# Altium PCB foxbms2-interface-ltc6820.PcbDoc (part 1 of 2)
Units mm, origin at the board's own origin, x right, y up, seen from the top; angles counter-clockwise.
Board outline 70 x 120 mm, 4 copper layers (Top Copper, GND, Supply, Bot Copper), stack 1.56 mm thick; 98 components, 88 nets, 306 pads, 146 vias.
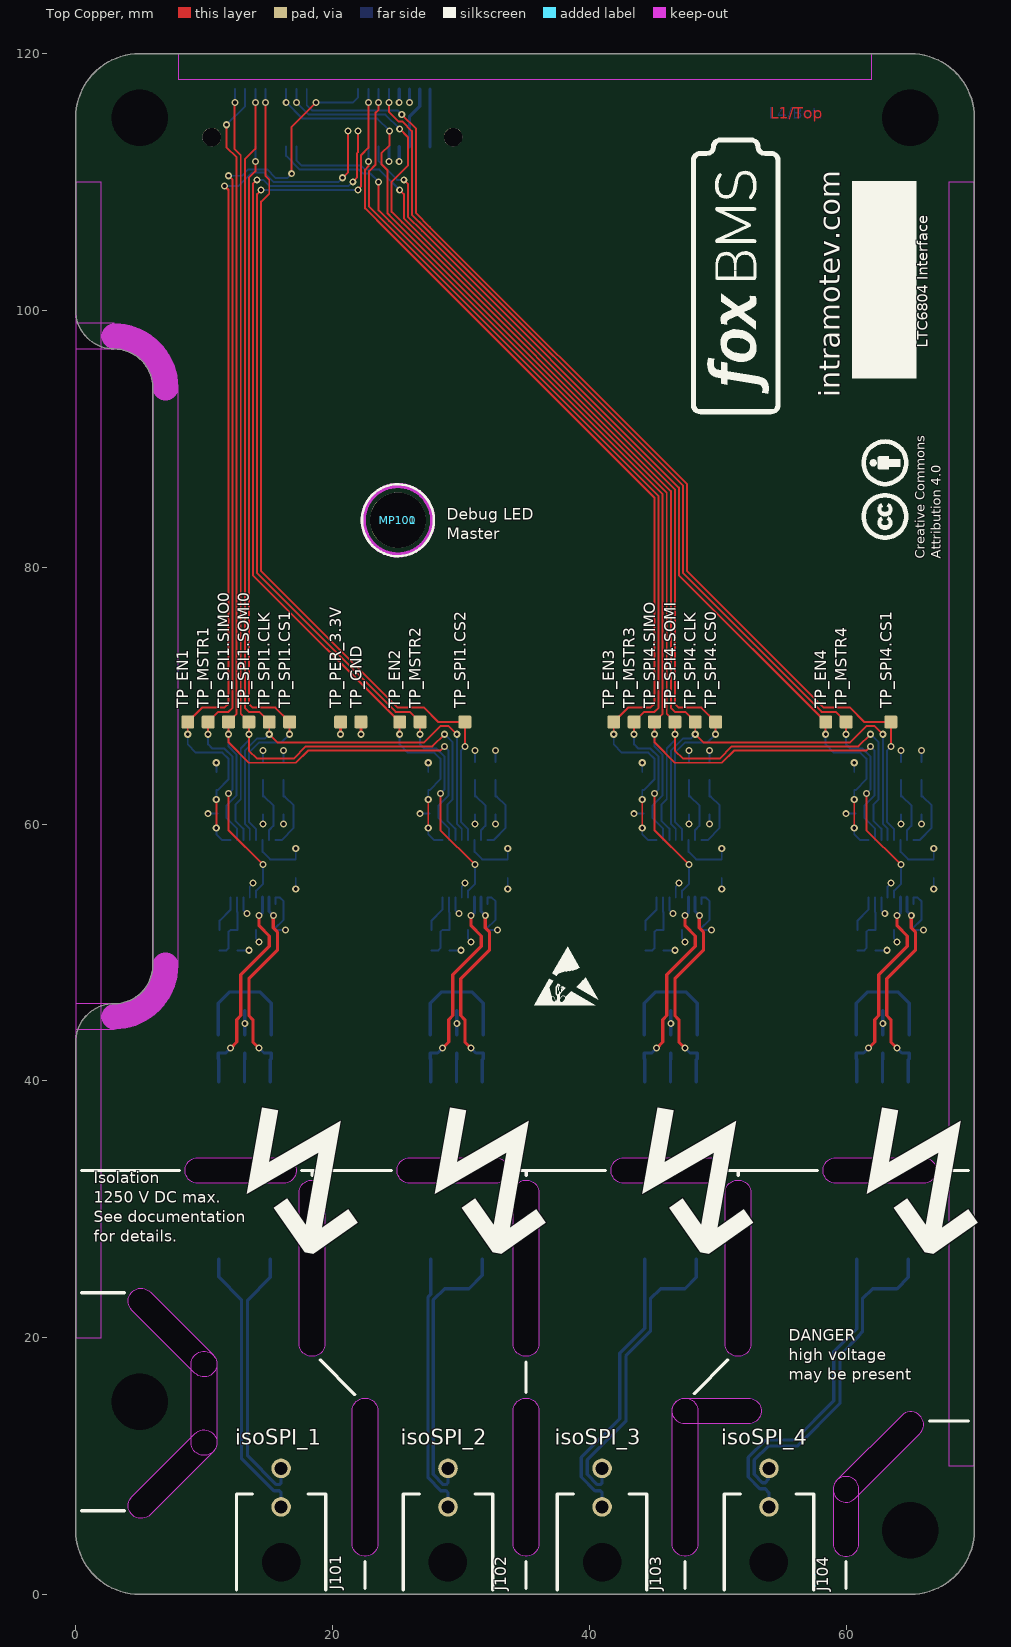
[diagram p0: Top Copper view]
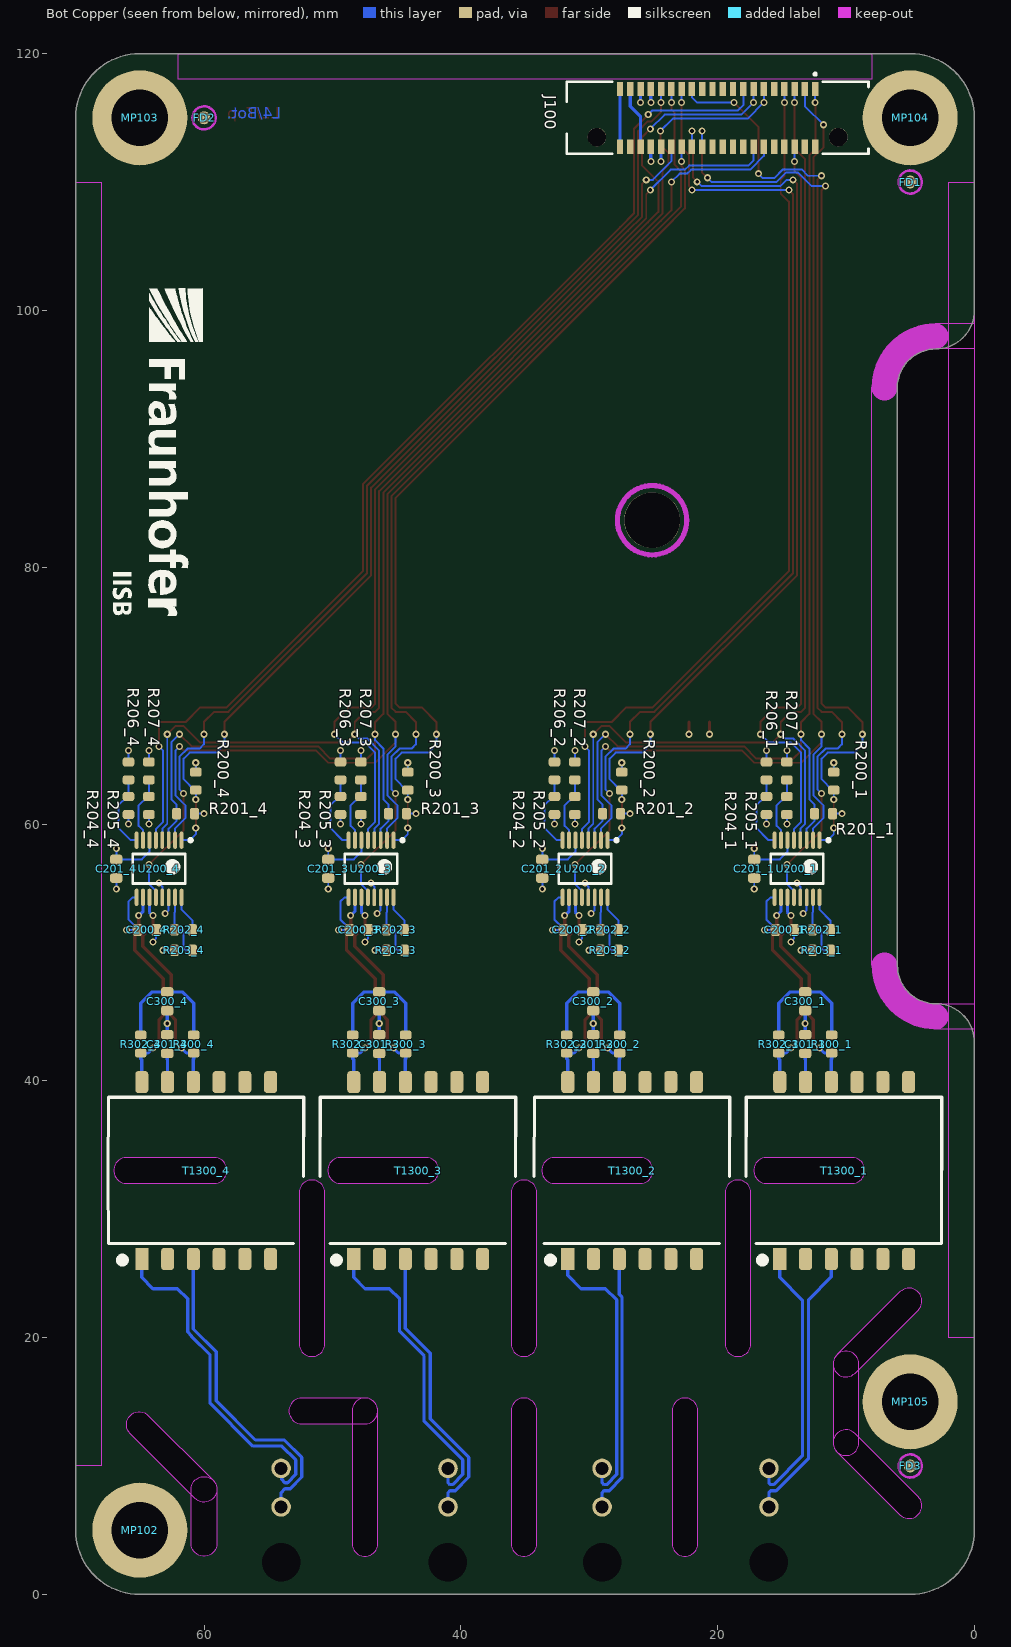
[diagram p1: Bot Copper view, seen from below]
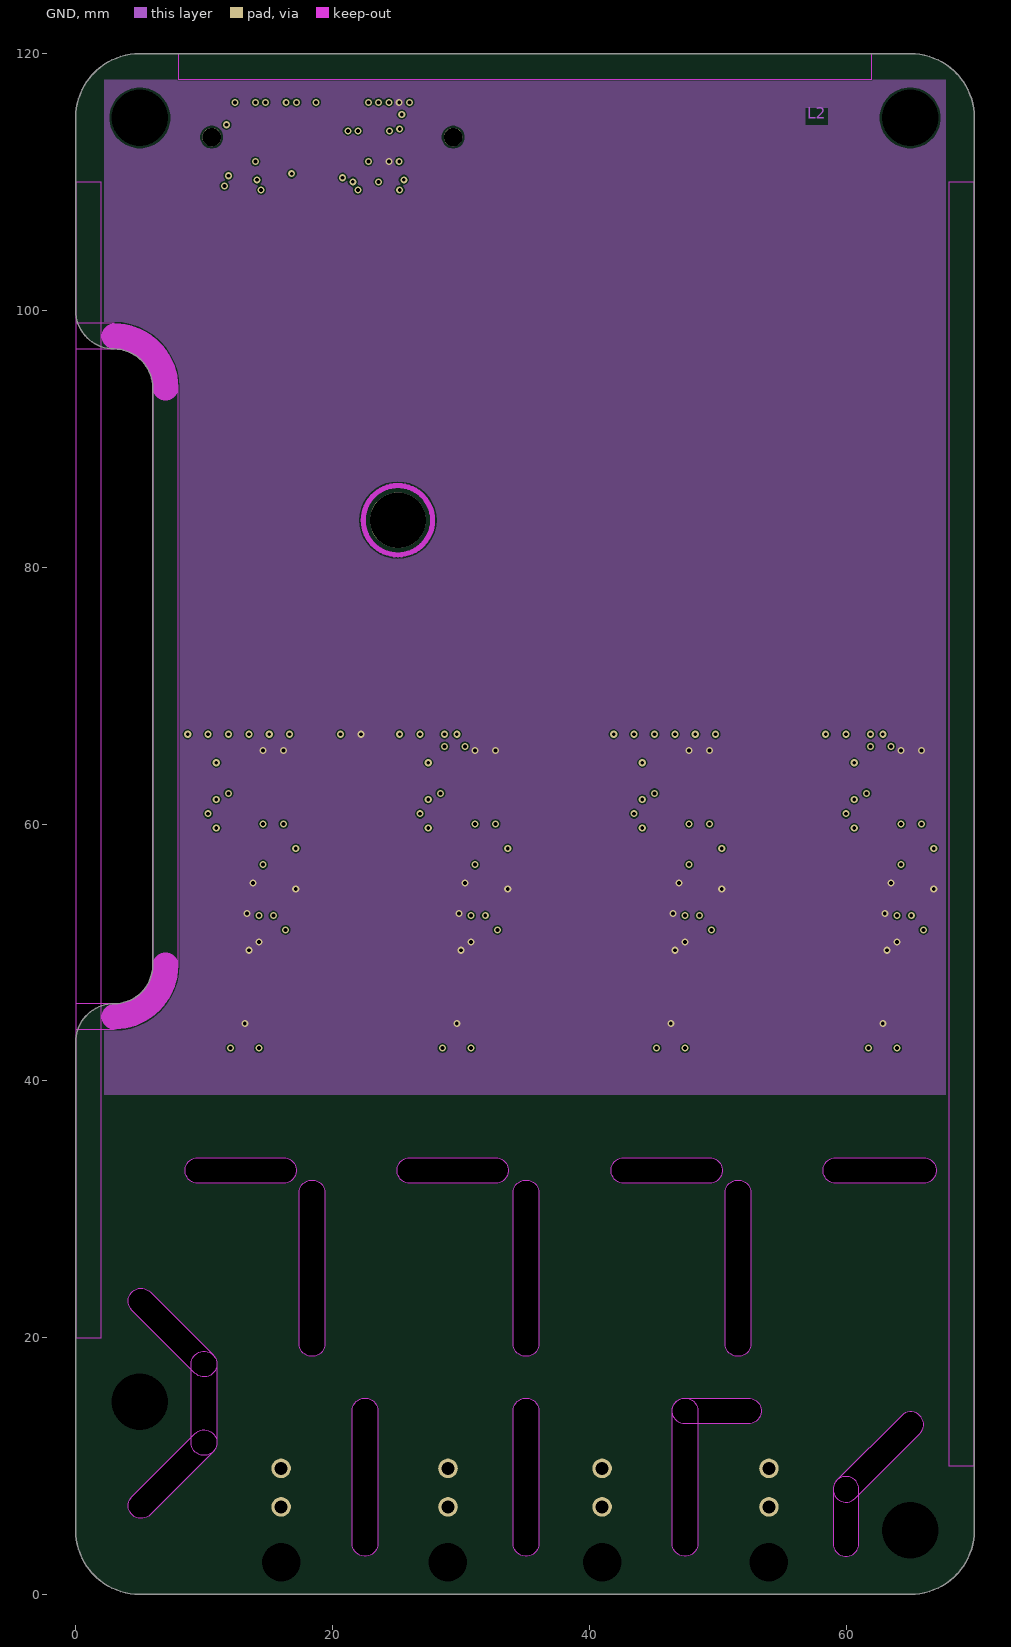
[diagram p2: GND]
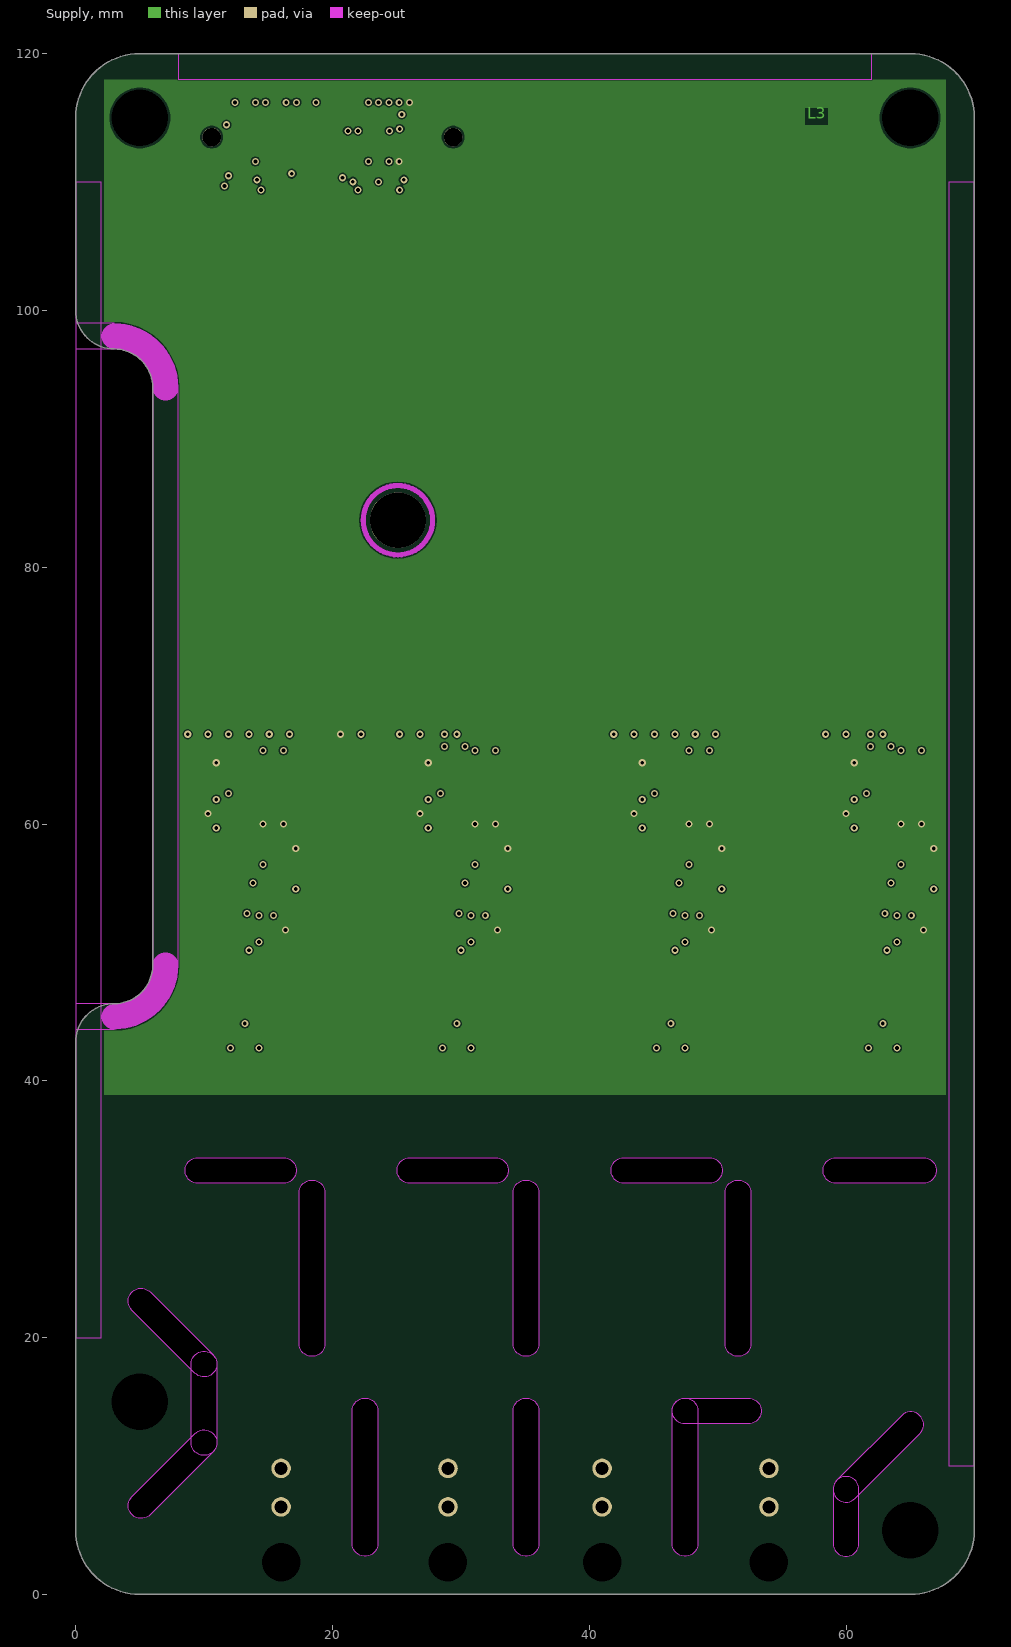
[diagram p3: Supply]
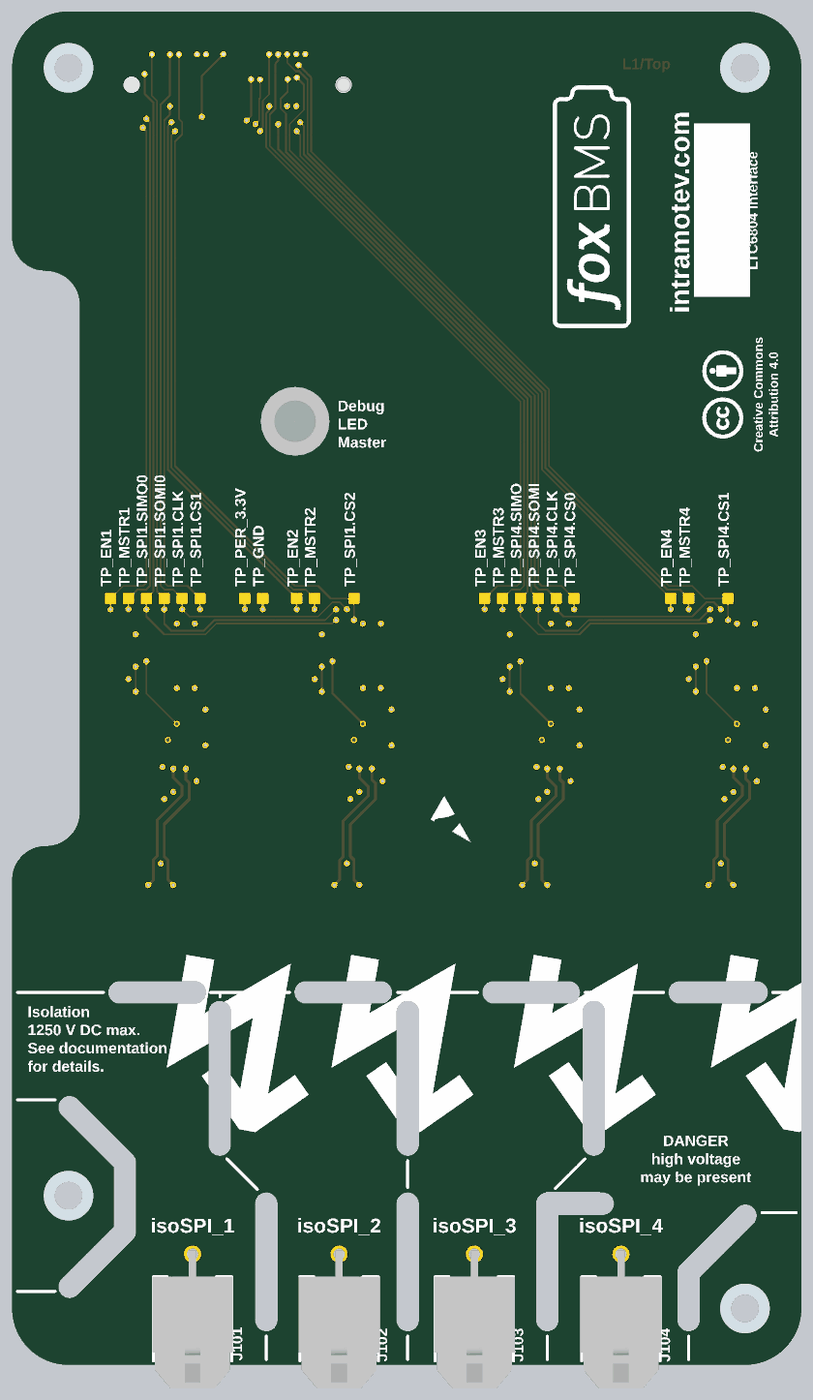
[diagram p5: 3D render of the assembled board from above, using the file's embedded part models]
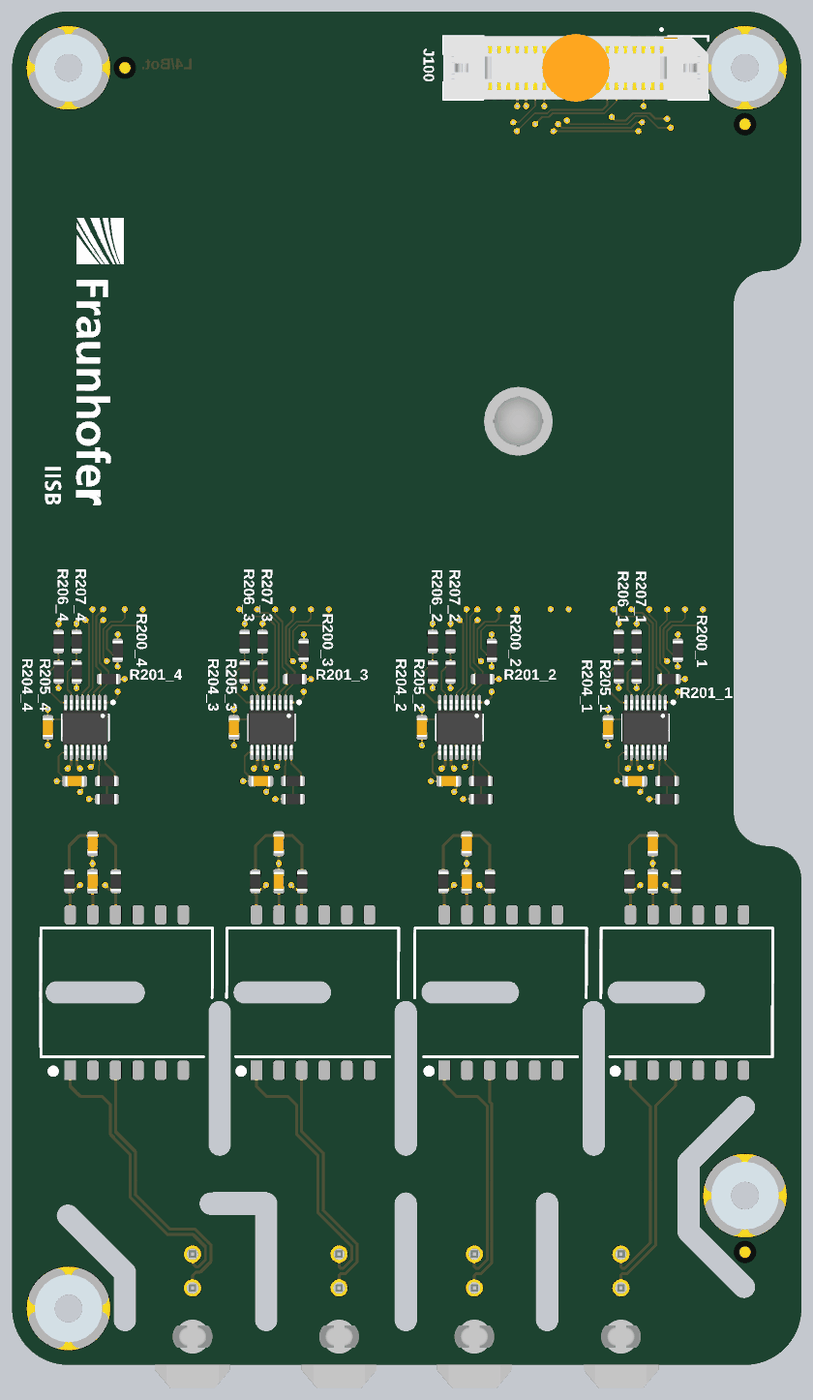
[diagram p6: 3D render of the assembled board from below, using the file's embedded part models]

## Layer stack, top to bottom
Top Solder: solder mask 0.015, Solder Resist, Dk 3.5
Top Copper: signal copper 0.035
Dielectric 1: prepreg 0.36, FR-4, Dk 4.6
GND: signal copper 0.035
Dielectric 2: core 0.7, FR-4, Dk 4.6
Supply: signal copper 0.035
Dielectric 3: prepreg 0.36, FR-4, Dk 4.6
Bot Copper: signal copper 0.035
Bottom Solder: solder mask 0.015, Solder Resist, Dk 3.5

## Board outline
0,5 0,43 cw(c3,43) 3,46 ccw(c3,49) 6,49 6,94 ccw(c3,94) 3,97 cw(c3,100) 0,100 0,115 cw(c5,115) 5,120 65,120 cw(c65,115) 70,115 70,5 cw(c65,5) 65,0 5,0 cw(c5,5)
cut-out: 9,17.939 cw(c10,17.939) 11,17.939 11,11.818 cw(c10,11.818) 9,11.818
cut-out: 5.802,6.206 cw(c5.094,6.913) 4.387,7.62 9.293,12.526 cw(c10,11.819) 10.707,11.112
cut-out: 4.387,22.137 cw(c5.094,22.844) 5.802,23.551 10.707,18.646 cw(c10,17.939) 9.293,17.232
cut-out: 47.466,13.287 cw(c47.466,14.287) 47.466,15.288 52.387,15.288 cw(c52.387,14.287) 52.387,13.287
cut-out: 36.084,19.526 cw(c35.084,19.526) 34.084,19.526 34.084,31.274 cw(c35.084,31.274) 36.084,31.274
cut-out: 34.084,14.287 cw(c35.084,14.287) 36.084,14.287 36.084,3.969 cw(c35.084,3.969) 34.084,3.969
cut-out: 19.415,19.526 cw(c18.415,19.526) 17.415,19.526 17.415,31.274 cw(c18.415,31.274) 19.415,31.274
cut-out: 52.594,19.526 cw(c51.594,19.526) 50.594,19.526 50.594,31.274 cw(c51.594,31.274) 52.594,31.274
cut-out: 21.542,14.287 cw(c22.542,14.287) 23.542,14.287 23.542,3.969 cw(c22.542,3.969) 21.542,3.969
cut-out: 46.466,14.287 cw(c47.466,14.287) 48.466,14.287 48.466,3.969 cw(c47.466,3.969) 46.466,3.969
cut-out: 65.748,12.516 ccw(c65.041,13.223) 64.334,13.93 59.293,8.889 ccw(c60,8.182) 60.707,7.475
cut-out: 61,8.182 ccw(c60,8.182) 59,8.182 59,3.969 ccw(c60,3.969) 61,3.969
cut-out: 66.04,34.02 cw(c66.04,33.02) 66.04,32.02 59.214,32.02 cw(c59.214,33.02) 59.214,34.02
cut-out: 49.371,34.02 cw(c49.371,33.02) 49.371,32.02 42.704,32.02 cw(c42.704,33.02) 42.704,34.02
cut-out: 32.703,34.02 cw(c32.703,33.02) 32.703,32.02 26.035,32.02 cw(c26.035,33.02) 26.035,34.02
cut-out: 16.192,34.02 cw(c16.192,33.02) 16.192,32.02 9.525,32.02 cw(c9.525,33.02) 9.525,34.02

## Design rules (kind name [scope] priority, off if disabled: settings)
AssemblyTestPointUsage [All] p1 off:
AssemblyTestpoint [(IsPad And (OnTopLayer Or OnBottomLayer)) Or (IsPad And OnMultiLayer)] p1 off: testpointundercomponent=FALSE minsize=1.016 maxsize=2.54 preferedsize=1.524 minholesize=0 maxholesize=1.016 preferedholesize=0.813 testpointgrid=0.025 usegrid=TRUE gridtolerance=0 allowsidetop=TRUE
BoardOutlineClearance [All] p1: gap=0.203 ignorepadtopadclearanceinfootprint=FALSE except(0.508: Arc-CavityEdge Track-CavityEdge SMDPad-CavityEdge THPad-CavityEdge Via-CavityEdge Fill-CavityEdge Poly-CavityEdge Region-CavityEdge Text-CavityEdge)
Clearance Clearance_isoSPI1 [InNetClass('isoSPI_1') vs Not InNetClass('isoSPI_1')] p1: gap=1.3 ignorepadtopadclearanceinfootprint=TRUE
Clearance Clearance_isoSPI2 [InNetClass('isoSPI_2') vs Not InNetClass('isoSPI_2')] p2: gap=1.3 ignorepadtopadclearanceinfootprint=TRUE
Clearance Clearance_isoSPI3 [InNetClass('isoSPI_3') vs Not InNetClass('isoSPI_3')] p3: gap=1.3 ignorepadtopadclearanceinfootprint=TRUE
Clearance Clearance_isoSPI4 [InNetClass('isoSPI_4') vs Not InNetClass('isoSPI_4')] p4: gap=1.3 ignorepadtopadclearanceinfootprint=TRUE
Clearance [All] p5: gap=0.102 ignorepadtopadclearanceinfootprint=TRUE except(0.152: Arc-Text Arc-Hole Track-Text Track-Hole SMDPad-Text SMDPad-Hole THPad-Text THPad-Hole Via-Text Via-Hole Fill-Text Fill-Hole Poly-Text Poly-Hole Region-Text Region-Hole Text-Text Text-Hole; 0.203: Arc-Via Track-Via SMDPad-Via THPad-Via Via-Via)
ComponentClearance ComponentClearance_Lightpipe [InComponent('MP100')] p1: gap=-1 collisioncheckmode=3 verticalgap=-1 showdistances=FALSE
ComponentClearance [All] p2: gap=0.2 collisioncheckmode=3 verticalgap=0.2 showdistances=FALSE
Creepage Creepage_isoSPI1 [InNetClass('isoSPI_1') vs Not InNetClass('isoSPI_1')] p1: checkdistance=12.5
Creepage Creepage_isoSPI2 [InNetClass('isoSPI_2') vs Not InNetClass('isoSPI_2')] p2: checkdistance=12.5
Creepage Creepage_isoSPI3 [InNetClass('isoSPI_3') vs Not InNetClass('isoSPI_3')] p3: checkdistance=12.5
Creepage Creepage_isoSPI4 [InNetClass('isoSPI_4') vs Not InNetClass('isoSPI_4')] p4: checkdistance=12.5
DiffPairsRouting [All] p1: maxlimit=0.254 minlimit=0.152 mostfreqgap=0.222 toplayer_minwidth=0.254 toplayer_maxwidth=0.254 toplayer_prefwidth=0.254 midlayer1_minwidth=0.254 midlayer1_maxwidth=0.254 midlayer1_prefwidth=0.254 midlayer2_minwidth=0.254 midlayer2_maxwidth=0.254 midlayer2_prefwidth=0.254 bottomlayer_minwidth=0.254 bottomlayer_maxwidth=0.254 bottomlayer_prefwidth=0.254 maxuncoupledlength=17.78
FabricationTestpoint [All] p1: side=1 testpointundercomponent=TRUE minsize=0.508 maxsize=7.62 preferedsize=1.524 minholesize=0 maxholesize=1.05 preferedholesize=0.813 testpointgrid=0.025 allowsidetop=TRUE usegrid=FALSE gridtolerance=0
HoleSize [All] p1: absolutevalues=TRUE maxlimit=5.994 minlimit=0.2 maxpercent=80.000 minpercent=20.000
HoleToHoleClearance [All] p1: gap=0.152 allowstackedmicrovias=TRUE
MinimumAnnularRing [All] p1: minimumring=0.102
MinimumSolderMaskSliver [All] p1: minsoldermaskwidth=0.102
PlaneConnect [All] p1: planeconnectstyle=Direct reliefexpansion=0.508 reliefentries=4 reliefconductorwidth=0.254 reliefairgap=0.254
PolygonConnect [All] p1: connectstyle=Direct reliefconductorwidth=0.254 reliefentries=4 polygonreliefangle="90 Angle" airgapwidth=0.254
RoomDefinition isoSPI-transformer-1 [InComponentClass('isoSPI-transformer-1')] p1: confinementstyle=ConfineIn formatcopy=TRUE lockcomponents=FALSE outline 2.222,18.256 18.098,18.256 18.098,47.784 2.222,47.784
RoomDefinition isoSPI-transceiver-2 [InComponentClass('isoSPI-transceiver-2')] p2: confinementstyle=ConfineIn formatcopy=TRUE lockcomponents=FALSE outline 34.608,67.31 24.606,67.31 24.606,49.212 34.608,49.212
RoomDefinition isoSPI-transceiver-1 [InComponentClass('isoSPI-transceiver-1')] p3: confinementstyle=ConfineIn formatcopy=TRUE lockcomponents=FALSE outline 18.098,67.31 8.096,67.31 8.096,49.212 18.098,49.212
RoomDefinition isoSPI-transformer-4 [InComponentClass('isoSPI-transformer-4')] p4: confinementstyle=ConfineIn formatcopy=TRUE lockcomponents=FALSE outline 51.911,18.256 67.786,18.256 67.786,47.784 51.911,47.784
RoomDefinition isoSPI-transformer-3 [InComponentClass('isoSPI-transformer-3')] p5: confinementstyle=ConfineIn formatcopy=TRUE lockcomponents=FALSE outline 35.401,18.256 51.276,18.256 51.276,47.784 35.401,47.784
RoomDefinition isoSPI-transformer-2 [InComponentClass('isoSPI-transformer-2')] p6: confinementstyle=ConfineIn formatcopy=TRUE lockcomponents=FALSE outline 18.732,18.256 34.608,18.256 34.608,47.784 18.732,47.784
RoomDefinition isoSPI-transceiver-4 [InComponentClass('isoSPI-transceiver-4')] p7: confinementstyle=ConfineIn formatcopy=TRUE lockcomponents=FALSE outline 67.786,67.31 57.785,67.31 57.785,49.212 67.786,49.212
RoomDefinition isoSPI-transceiver-3 [InComponentClass('isoSPI-transceiver-3')] p8: confinementstyle=ConfineIn formatcopy=TRUE lockcomponents=FALSE outline 51.276,67.31 41.275,67.31 41.275,49.212 51.276,49.212
RoutingVias [All] p1: holewidth=0.203 width=0.45 viastyle="Through Hole" minholewidth=0.203 minwidth=0.45 maxholewidth=1 maxwidth=7 useviatemplates=TRUE viatemplateguid#1={D0A3D638-558F-4074-B05B-B31E3332276D} viatemplatename#1=0.3mm_tented
SMDEntry [All] p1: side=TRUE corner=TRUE anyangle=FALSE
SMDToCorner [All] p1: distance=40000
SilkToSolderMaskClearance [IsPad] p1: minsilkscreentomaskgap=0.102 clearancetoexposedcopper=FALSE
SolderMaskExpansion SolderMaskExpansion_VIAs [IsVia] p1: expansion=-10 istentingtop=FALSE // Cover all Vias
SolderMaskExpansion [All] p2: expansion=0.051 istentingtop=FALSE
UnRoutedNet [All] p1: checkbadconnections=TRUE
UnpouredPolygon UnpouredPolygon_1 [All] p1:
Width [All] p1: maxlimit=1.524 minlimit=0.102 preferedwidth=0.152
18 further rules are at their usual default settings.

## Classes and differential pairs
net class isoSPI_4: isoSPI_4._N isoSPI_4._P TR_unused_4.1 TR_unused_4.2 TR_unused_4.3
net class isoSPI_3: isoSPI_3._N isoSPI_3._P TR_unused_3.1 TR_unused_3.2 TR_unused_3.3
net class isoSPI_2: isoSPI_2._N isoSPI_2._P TR_unused_2.1 TR_unused_2.2 TR_unused_2.3
net class isoSPI_1: isoSPI_1._N isoSPI_1._P TR_unused_1.1 TR_unused_1.2 TR_unused_1.3
channel class isoSPI-transformer: isoSPI-transformer-1 isoSPI-transformer-2 isoSPI-transformer-3 isoSPI-transformer-4
channel class isoSPI-transceiver: isoSPI-transceiver-1 isoSPI-transceiver-2 isoSPI-transceiver-3 isoSPI-transceiver-4
component class isoSPI-transformer-4: C300_4 C301_4 R300_4 R302_4 T1300_4
component class isoSPI-transformer-3: C300_3 C301_3 R300_3 R302_3 T1300_3
component class isoSPI-transformer-2: C300_2 C301_2 R300_2 R302_2 T1300_2
component class isoSPI-transformer-1: C300_1 C301_1 R300_1 R302_1 T1300_1
component class isoSPI-transceiver-4: C200_4 C201_4 R200_4 R201_4 R202_4 R203_4 R204_4 R205_4 R206_4 R207_4 U200_4
component class isoSPI-transceiver-3: C200_3 C201_3 R200_3 R201_3 R202_3 R203_3 R204_3 R205_3 R206_3 R207_3 U200_3
component class foxbms2-interface-ltc6820: J100 J101 J102 J103 J104 MP102 MP103 MP104 MP105 TP_EN1 TP_EN2 TP_EN3 TP_EN4 TP_GND TP_MSTR1 TP_MSTR2 TP_MSTR3 TP_MSTR4 TP_PER_3.3V TP_SPI1.CLK TP_SPI1.CS1 TP_SPI1.CS2 TP_SPI1.SIMO0 TP_SPI1.SOMI0 TP_SPI4.CLK TP_SPI4.CS0 TP_SPI4.CS1 TP_SPI4.SIMO TP_SPI4.SOMI
component class isoSPI-transceiver-2: C200_2 C201_2 R200_2 R201_2 R202_2 R203_2 R204_2 R205_2 R206_2 R207_2 U200_2
component class isoSPI-transceiver-1: C200_1 C201_1 R200_1 R201_1 R202_1 R203_1 R204_1 R205_1 R206_1 R207_1 U200_1
differential pair isoSPI_INT_4: +isoSPI_INT_4_P -isoSPI_INT_4_N
differential pair isoSPI_INT_3: +isoSPI_INT_3_P -isoSPI_INT_3_N
differential pair isoSPI_INT_2: +isoSPI_INT_2_P -isoSPI_INT_2_N
differential pair isoSPI_INT_1: +isoSPI_INT_1_P -isoSPI_INT_1_N
differential pair isoSPI_4.: +isoSPI_4._P -isoSPI_4._N
differential pair isoSPI_3.: +isoSPI_3._P -isoSPI_3._N
differential pair isoSPI_2.: +isoSPI_2._P -isoSPI_2._N
differential pair isoSPI_1.: +isoSPI_1._P -isoSPI_1._N

## Components (designator, comment, footprint, x,y, rotation, side; value= is the part's Value field where it differs from the comment)
C200_1 "100n/50V" CAPC1608X08N 14.764,51.752 r0 bottom (schematic designator C200)
C200_2 "100n/50V" CAPC1608X08N 31.274,51.752 r0 bottom (schematic designator C200)
C200_3 "100n/50V" CAPC1608X08N 47.942,51.752 r0 bottom (schematic designator C200)
C200_4 "100n/50V" CAPC1608X08N 64.453,51.752 r0 bottom (schematic designator C200)
C201_1 "100n/50V" CAPC1608X08N 17.145,56.515 r90 bottom (schematic designator C201)
C201_2 "100n/50V" CAPC1608X08N 33.655,56.515 r90 bottom (schematic designator C201)
C201_3 "100n/50V" CAPC1608X08N 50.324,56.515 r90 bottom (schematic designator C201)
C201_4 "100n/50V" CAPC1608X08N 66.834,56.515 r90 bottom (schematic designator C201)
C300_1 "10n/50V" CAPC1608X08N 13.176,46.196 r270 bottom (schematic designator C300)
C300_2 "10n/50V" CAPC1608X08N 29.686,46.196 r270 bottom (schematic designator C300)
C300_3 "10n/50V" CAPC1608X08N 46.355,46.196 r270 bottom (schematic designator C300)
C300_4 "10n/50V" CAPC1608X08N 62.865,46.196 r270 bottom (schematic designator C300)
C301_1 "10n/50V" CAPC1608X08N 13.176,42.862 r270 bottom (schematic designator C301)
C301_2 "10n/50V" CAPC1608X08N 29.686,42.862 r270 bottom (schematic designator C301)
C301_3 "10n/50V" CAPC1608X08N 46.355,42.862 r270 bottom (schematic designator C301)
C301_4 "10n/50V" CAPC1608X08N 62.865,42.862 r270 bottom (schematic designator C301)
FD1 "Comment" Fiducial_2 5,110 r180 bottom locked
FD2 "Comment" Fiducial_2 60,115 r180 bottom locked
FD3 "Comment" Fiducial_2 5,10 r180 bottom locked
J100 "ERF8-020-05.0-L-DV-K" SAMTEC_ERF8-020-05.0-L-DV-K 20,115 r180 bottom locked
J101 "molex_microfit_3_01x2_THT" MOLEX_MICROFIT_01x2_THT 16,2.5 r180 top
J102 "molex_microfit_3_01x2_THT" MOLEX_MICROFIT_01x2_THT 29,2.5 r180 top
J103 "molex_microfit_3_01x2_THT" MOLEX_MICROFIT_01x2_THT 41,2.5 r180 top
J104 "molex_microfit_3_01x2_THT" MOLEX_MICROFIT_01x2_THT 54,2.5 r180 top
MP100 "Comment" VCC_LPCR050CTP 25.099,83.661 r0 top locked
MP101 "Comment" VCC_RTN_150 25.099,83.661 r0 top locked
MP102 "WE_9774140360R" WE_9774140360 65,5 r180 bottom locked
MP103 "WE_9774140360R" WE_9774140360 65,115 r180 bottom locked
MP104 "WE_9774140360R" WE_9774140360 5,115 r180 bottom locked
MP105 "WE_9774140360R" WE_9774140360 5,15 r180 bottom locked
R200_1 "10k" RESC1608X05N 10.954,63.341 r90 bottom (schematic designator R200)
R200_2 "10k" RESC1608X05N 27.464,63.341 r90 bottom (schematic designator R200)
R200_3 "10k" RESC1608X05N 44.133,63.341 r90 bottom (schematic designator R200)
R200_4 "10k" RESC1608X05N 60.642,63.341 r90 bottom (schematic designator R200)
R201_1 "2k" RESC1608X05N 11.747,60.801 r180 bottom (schematic designator R201)
R201_2 "2k" RESC1608X05N 28.258,60.801 r180 bottom (schematic designator R201)
R201_3 "2k" RESC1608X05N 44.926,60.801 r180 bottom (schematic designator R201)
R201_4 "2k" RESC1608X05N 61.436,60.801 r180 bottom (schematic designator R201)
R202_1 "806R" RESC1608X05N 11.906,51.752 r180 bottom (schematic designator R202)
R202_2 "806R" RESC1608X05N 28.416,51.752 r180 bottom (schematic designator R202)
R202_3 "806R" RESC1608X05N 45.085,51.752 r180 bottom (schematic designator R202)
R202_4 "806R" RESC1608X05N 61.595,51.752 r180 bottom (schematic designator R202)
R203_1 "1k2" RESC1608X05N 11.906,50.165 r180 bottom (schematic designator R203)
R203_2 "1k2" RESC1608X05N 28.416,50.165 r180 bottom (schematic designator R203)
R203_3 "1k2" RESC1608X05N 45.085,50.165 r180 bottom (schematic designator R203)
R203_4 "1k2" RESC1608X05N 61.595,50.165 r180 bottom (schematic designator R203)
R204_1 "10k" RESC1608X05N 16.192,61.436 r270 bottom (schematic designator R204)
R204_2 "10k" RESC1608X05N 32.703,61.436 r270 bottom (schematic designator R204)
R204_3 "10k" RESC1608X05N 49.371,61.436 r270 bottom (schematic designator R204)
R204_4 "10k" RESC1608X05N 65.881,61.436 r270 bottom (schematic designator R204)
R205_1 "10k" RESC1608X05N 14.605,61.436 r270 bottom (schematic designator R205)
R205_2 "10k" RESC1608X05N 31.115,61.436 r270 bottom (schematic designator R205)
R205_3 "10k" RESC1608X05N 47.784,61.436 r270 bottom (schematic designator R205)
R205_4 "10k" RESC1608X05N 64.294,61.436 r270 bottom (schematic designator R205)
R206_1 "10k" RESC1608X05N 16.192,64.135 r270 bottom (schematic designator R206)
R206_2 "10k" RESC1608X05N 32.703,64.135 r270 bottom (schematic designator R206)
R206_3 "10k" RESC1608X05N 49.371,64.135 r270 bottom (schematic designator R206)
R206_4 "10k" RESC1608X05N 65.881,64.135 r270 bottom (schematic designator R206)
R207_1 "10k" RESC1608X05N 14.605,64.135 r270 bottom (schematic designator R207)
R207_2 "10k" RESC1608X05N 31.115,64.135 r270 bottom (schematic designator R207)
R207_3 "10k" RESC1608X05N 47.784,64.135 r270 bottom (schematic designator R207)
R207_4 "10k" RESC1608X05N 64.294,64.135 r270 bottom (schematic designator R207)
R300_1 "49R9" RESC1608X05N 11.112,42.862 r270 bottom (schematic designator R300)
R300_2 "49R9" RESC1608X05N 27.622,42.862 r270 bottom (schematic designator R300)
R300_3 "49R9" RESC1608X05N 44.291,42.862 r270 bottom (schematic designator R300)
R300_4 "49R9" RESC1608X05N 60.801,42.862 r270 bottom (schematic designator R300)
R302_1 "49R9" RESC1608X05N 15.24,42.862 r90 bottom (schematic designator R302)
R302_2 "49R9" RESC1608X05N 31.75,42.862 r90 bottom (schematic designator R302)
R302_3 "49R9" RESC1608X05N 48.419,42.862 r90 bottom (schematic designator R302)
R302_4 "49R9" RESC1608X05N 64.929,42.862 r90 bottom (schematic designator R302)
T1300_1 "HM2102NLT" HM2102NL 10.16,33.02 r90 bottom (schematic designator T1300)
T1300_2 "HM2102NLT" HM2102NL 26.67,33.02 r90 bottom (schematic designator T1300)
T1300_3 "HM2102NLT" HM2102NL 43.339,33.02 r90 bottom (schematic designator T1300)
T1300_4 "HM2102NLT" HM2102NL 59.849,33.02 r90 bottom (schematic designator T1300)
TP_EN1 "Testpoint_Square" Testpoint_S1 8.731,67.945 r270 top
TP_EN2 "Testpoint_Square" Testpoint_S1 25.241,67.945 r90 top
TP_EN3 "Testpoint_Square" Testpoint_S1 41.91,67.945 r90 top
TP_EN4 "Testpoint_Square" Testpoint_S1 58.42,67.945 r90 top
TP_GND "Testpoint_Square" Testpoint_S1 22.225,67.945 r90 top
TP_MSTR1 "Testpoint_Square" Testpoint_S1 10.319,67.945 r270 top
TP_MSTR2 "Testpoint_Square" Testpoint_S1 26.829,67.945 r90 top
TP_MSTR3 "Testpoint_Square" Testpoint_S1 43.497,67.945 r90 top
TP_MSTR4 "Testpoint_Square" Testpoint_S1 60.008,67.945 r90 top
TP_PER_3.3V "Testpoint_Square" Testpoint_S1 20.637,67.945 r90 top
TP_SPI1.CLK "Testpoint_Square" Testpoint_S1 15.081,67.945 r270 top
TP_SPI1.CS1 "Testpoint_Square" Testpoint_S1 16.669,67.945 r270 top
TP_SPI1.CS2 "Testpoint_Square" Testpoint_S1 30.321,67.945 r270 top
TP_SPI1.SIMO0 "Testpoint_Square" Testpoint_S1 11.906,67.945 r270 top
TP_SPI1.SOMI0 "Testpoint_Square" Testpoint_S1 13.494,67.945 r270 top
TP_SPI4.CLK "Testpoint_Square" Testpoint_S1 48.26,67.945 r90 top
TP_SPI4.CS0 "Testpoint_Square" Testpoint_S1 49.847,67.945 r90 top
TP_SPI4.CS1 "Testpoint_Square" Testpoint_S1 63.5,67.945 r90 top
TP_SPI4.SIMO "Testpoint_Square" Testpoint_S1 45.085,67.945 r90 top
TP_SPI4.SOMI "Testpoint_Square" Testpoint_S1 46.672,67.945 r90 top
U200_1 "LTC6820HMS" LTC6820-MSOP 13.811,56.515 r270 bottom (schematic designator U200)
U200_2 "LTC6820HMS" LTC6820-MSOP 30.321,56.515 r270 bottom (schematic designator U200)
U200_3 "LTC6820HMS" LTC6820-MSOP 46.99,56.515 r270 bottom (schematic designator U200)
U200_4 "LTC6820HMS" LTC6820-MSOP 63.5,56.515 r270 bottom (schematic designator U200)

## Footprints (in the part's own frame and the unit in brackets; to place one, negate y for a bottom-side part, rotate by r counter-clockwise, add the part's x,y. Pads: shape width x height; smd on the part's side, far side on the other; paste and mask are expansions set on the pad)
CAPC1608X08N [mm] "Chip Capacitor, 2-Leads, Body 1,60x0,80mm, IPC Medium Density"
  rrect50% 0.75x0.95 smd: 1(-0.725,0) 2(0.725,0)
  body extent -0.85,-0.45 0.85,0.45, height 0.8
Fiducial_2 [mm] "Fiducial Round 1mm"
  round 1 smd paste-0.5 mask+0.5: 0(0,0)
  Top Copper keep-out circle w0.2: c0,0 r0.9
HM2102NL [mil]
  rect 67.5x40 smd: 1(-271.65,196.85)
  rrect50% 67.5x40 smd: 2(-271.65,117.85) 3(-271.65,38.85) 4(-271.65,-40.15) 5(-271.65,-119.15) 6(-271.65,-198.15) 7(270.85,-198.15) 8(270.85,-119.15) 9(270.85,-40.15) 10(270.85,38.85) 11(270.85,117.85) 12(270.85,196.85)
  silkscreen extent -224,-300 224,300, body extent -224,-299 224,299, height 197
LTC6820-MSOP [mm] "MSOP, 16-Leads, Body 4,00x3,00mm, Pitch 0,50mm, IPC Medium Density"
  oval 1.35x0.3 smd: 1(-2.225,1.75) 2(-2.225,1.25) 3(-2.225,0.75) 4(-2.225,0.25) 5(-2.225,-0.25) 6(-2.225,-0.75) 7(-2.225,-1.25) 8(-2.225,-1.75) 9(2.225,-1.75) 10(2.225,-1.25) 11(2.225,-0.75) 12(2.225,-0.25) 13(2.225,0.25) 14(2.225,0.75) 15(2.225,1.25) 16(2.225,1.75)
  silkscreen extent -2.35,-2.05 1.15,2.57, body extent -2.45,-2.05 2.45,2.05, height 1.1
MOLEX_MICROFIT_01x2_THT [mil] "Micro-Fit 3.0 Right Angle Header, 3.00mm Pitch, Dual Row, 2 Circuits, with Snap-in Plastic Peg PCB Lock, Tin, Glow Wire Capable, Black, 43045-0200"
  round 60 hole 40: 1(0,-170) 2(0,-287.99)
  round 39.37 hole 117.99 unplated paste+0 mask+4: ""(0,0)
  silkscreen extent -137,-209 137,85, body extent -141,-301 141,181, height 345
RESC1608X05N [mm] "Chip Resistor, 2-Leads, Body 1,60x0,80mm, IPC Medium Density"
  rrect50% 0.7x0.9 smd: 1(-0.7,0) 2(0.7,0)
  body extent -0.85,-0.45 0.85,0.45, height 0.45
SAMTEC_ERF8-020-05.0-L-DV-K [mm] "0.80 Samtec 0.8mm Edge Rate Robust Highspeed-Terminal"
  rect 0.5x1.1 smd: 1(7.6,2.25) 2(7.6,-2.25) 3(6.8,2.25) 4(6.8,-2.25) 5(6,2.25) 6(6,-2.25) 7(5.2,2.25) 8(5.2,-2.25) 9(4.4,2.25) 10(4.4,-2.25) 11(3.6,2.25) 12(3.6,-2.25) 13(2.8,2.25) 14(2.8,-2.25) 15(2,2.25) 16(2,-2.25) 17(1.2,2.25) 18(1.2,-2.25) 19(0.4,2.25) 20(0.4,-2.25) 21(-0.4,2.25) 22(-0.4,-2.25) 23(-1.2,2.25) 24(-1.2,-2.25) 25(-2,2.25) 26(-2,-2.25) 27(-2.8,2.25) 28(-2.8,-2.25) 29(-3.6,2.25) 30(-3.6,-2.25) 31(-4.4,2.25) 32(-4.4,-2.25) 33(-5.2,2.25) 34(-5.2,-2.25) 35(-6,2.25) 36(-6,-2.25) 37(-6.8,2.25) 38(-6.8,-2.25) 39(-7.6,2.25) 40(-7.6,-2.25)
  round 1.45 hole 1.45 unplated: ""(-9.4,-1.5) ""(9.4,-1.5)
  silkscreen extent -11.75,-2.8 11.75,3.5, body extent -11.75,-3 11.75,3, height 5.49
Testpoint_S1 [mm] "Testpunkt, quardratisch 1mm"
  rrect20% 1x1 smd paste-0.5: 1(0,0)
VCC_LPCR050CTP [mm] "Lightpipe Clear LPCR Series"
  round 4.34 hole 4.34 unplated: Lightpipe(0,0)
  Keep-Out Layer circle w0.4: c0,0 r2.7
  silkscreen extent -2.8,-2.8 2.8,2.8, body extent -2.41,-2.41 2.41,2.41, height 0.77
VCC_RTN_150 [mm] "Grommet Retainer for LPC and LPCR Series Lightpipe"
  body extent -3.05,-3.05 3.05,3.05, height 3.92
WE_9774140360 [mm] "WA-SMSI SMT Steel Spacer with internal thread M 3"
  round 7.4 / inner round 0 / far side round 0 hole 4.4 unplated: 1(0,0)
  body extent -3,-3 3,3, height 14.01

## Part data
C200_1 C200_2 C200_3 C200_4 C201_1 C201_2 C201_3 C201_4: library part gen_C_ceramic_100n_50V_X7R_0603, "MLCC", Capacitance=100n, Case EIA=0603, Case Metric=1608, Dielectric=X7R, PnP Package=0603C, PnP Value=100nF/50V/X7R, Rated Voltage=50V, Supplier Part Number 1=2525267, AEC-Q Norm=AEC-Q200, Automotive Qualified=True, ECCN=EAR99, Part Number=gen_C_ceramic_100n_50V_X7R_0603, PnP equipped=x, Supplier 1=Farnell, Supplier 2=Digikey, Supplier Part Number 2=490-6049-1-ND
C300_1 C300_2 C300_3 C300_4 C301_1 C301_2 C301_3 C301_4: library part gen_C_ceramic_10n_50V_C0G_0603, "MLCC", Capacitance=10n, Case EIA=0603, Case Metric=1608, Dielectric=C0G, PnP Package=0603C, Rated Voltage=50V, Supplier Part Number 1=2210846, Automotive Qualified=True, Part Number=gen_C_ceramic_10n_50V_C0G_0603, Supplier 1=Farnell
J100: library part SAMTEC_ERF8-020-05.0-L-DV-K, "Edge Rate rugged high-speed connector strips", Manufacturer=Samtec, Operating Temperature="-55°C - +125°C", Supplier Part Number 1=3771957, Automotive Qualified=False, Circuits=40, ComponentLink1Description=Datasheet, ComponentLink1URL=https://suddendocs.samtec.com/catalog_english/erf8-s.pdf, ECCN=EAR99, Part Name=ERF8-020-05.0-L-DV-K, Part Number=SAMTEC_ERF8-020-05.0-L-DV-K, Supplier 1=Farnell, Supplier 2=Digikey, Supplier 3=Mouser, Supplier Part Number 2=SAM13550CT-ND, Supplier Part Number 3=200-ERF802005.0LDVLK, System=Connector
J101 J102 J103 J104: "Micro-Fit 3.0 Right Angle Header, 3.00mm Pitch, Dual Row, 2 Circuits, with Snap-in Plastic Peg PCB Lock, Tin, Glow Wire Capable, Black, 43045-0200", Manufacturer=Molex, Operating Temperature="-40°C - +105°C", Part Name=MicroFit, Rated Current=8.5A, Rated Voltage=600V, Supplier Part Number 1=1012251, Automotive Qualified=False, Circuits=2, Part Number=molex_microfit_3_01x2_THT, Supplier 1=Farnell
MP102 MP103 MP104 MP105: "WA-SMSI SMT Steel Spacer with internal thread M 3", Manufacturer="Würth Elektronik", Operating Temperature="-55°C - +150°C", Supplier Part Number 1=732-5281-1-ND, Automotive Qualified=False, ComponentLink1Description=Datasheet, ComponentLink1URL=https://www.we-online.com/catalog/datasheet/9774140360R.pdf, ECCN=EAR99, Part Name=WE_9774140360R, Part Number=WE_9774140360R, Supplier 1=Digikey, Supplier 2=Mouser, Supplier Part Number 2=710-9774140360R
R200_1 R200_2 R200_3 R200_4 R204_1 R204_2 R204_3 R204_4 R205_1 R205_2 R205_3 R205_4 R206_1 R206_2 R206_3 R206_4 R207_1 R207_2 R207_3 R207_4: library part gen_R_10k_0603, "SMD Resistor 10k 0603", Case EIA=0603, Case Metric=1608, Maximum Working Voltage=75V, Operating Temperature="-55°C - +155°C", PnP Package=0603R, Power=0.1W, Supplier Part Number 1=2073349, Tolerance=1%, Automotive Qualified=True, Part Number=gen_R_10k_0603, PnP equipped=x, PnP Value=10k, Resistance=10k, Series="E24, E96", Supplier 1=Farnell
R201_1 R201_2 R201_3 R201_4: library part gen_R_2k_0603, "SMD Resistor 2k 0603", Case EIA=0603, Case Metric=1608, Maximum Working Voltage=75V, Operating Temperature="-55°C - +155°C", PnP Package=0603R, Power=0.1W, Supplier Part Number 1=2059343, Tolerance=1%, Automotive Qualified=True, Part Number=gen_R_2k_0603, PnP Value=2k, Resistance=2k, Series="E24, E96", Supplier 1=Farnell
R202_1 R202_2 R202_3 R202_4: library part gen_R_806R_0603, "SMD Resistor 806R 0603", Case EIA=0603, Case Metric=1608, Maximum Working Voltage=75V, Operating Temperature="-55°C - +155°C", PnP Package=0603R, Power=0.1W, Supplier Part Number 1=2059324, Tolerance=1%, Automotive Qualified=True, Part Number=gen_R_806R_0603, PnP Value=806R, Resistance=806R, Series=E96, Supplier 1=Farnell
R203_1 R203_2 R203_3 R203_4: library part gen_R_1k2_0603, "SMD Resistor 1k2 0603", Case EIA=0603, Case Metric=1608, Maximum Working Voltage=75V, Operating Temperature="-55°C - +155°C", PnP Package=0603R, Power=0.1W, Supplier Part Number 1=2073370, Tolerance=1%, Automotive Qualified=True, Part Number=gen_R_1k2_0603, PnP Value=1k2, Resistance=1k2, Series=E24, Supplier 1=Farnell
R300_1 R300_2 R300_3 R300_4 R302_1 R302_2 R302_3 R302_4: library part gen_R_49R9_0603, "SMD Resistor 49R9 0603", Case EIA=0603, Case Metric=1608, Maximum Working Voltage=75V, Operating Temperature="-55°C - +155°C", PnP Package=0603R, Power=0.1W, Supplier Part Number 1=P49.9HCT-ND, Tolerance=1%, Automotive Qualified=True, Part Number=gen_R_49R9_0603, PnP Value=49R9, Resistance=49R9, Series=E96, Supplier 1=Digikey
T1300_1 T1300_2 T1300_3 T1300_4: "Pulse HM2102NLT BMS Transformer", Manufacturer=Pulse, Operating Temperature="-40°C - +125°C", Supplier Part Number 1=673-HM2102NLT, AEC-Q Norm=AEC-Q200, Automotive Qualified=True, ComponentLink1Description=Datasheet, ComponentLink1URL=https://www.mouser.de/datasheet/2/336/HM2102NL-1218600.pdf, ECCN=EAR99, Part Number=HM2102NLT, Supplier 1=Mouser, Supplier 2=Digikey, Supplier Part Number 2=1840-1034-1-ND
TP_EN1 TP_EN2 TP_EN3 TP_EN4 TP_GND TP_MSTR1 TP_MSTR2 TP_MSTR3 TP_MSTR4 TP_PER_3.3V TP_SPI1.CLK TP_SPI1.CS1 TP_SPI1.CS2 TP_SPI1.SIMO0 TP_SPI1.SOMI0 TP_SPI4.CLK TP_SPI4.CS0 TP_SPI4.CS1 TP_SPI4.SIMO TP_SPI4.SOMI: "Testpoint, square", Automotive Qualified=False, Part Number=Testpoint_Square
U200_1 U200_2 U200_3 U200_4: "isoSPI Isolated Communications Interface", Manufacturer="Analog Devices", Operating Temperature="−40°C - +125°C", PnP Package=MSOP-16, Supplier Part Number 1=584-LTC6820HMS#PBF, Automotive Qualified=True, ComponentLink1Description=Datasheet, ComponentLink1URL=https://www.analog.com/media/en/technical-documentation/data-sheets/LTC6820.pdf, Part Name=LTC6820HMS, Part Number=LTC6820HMS, Supplier 1=Mouser, Supplier 2=Digikey, Supplier Part Number 2=LTC6820HMS#TRPBFCT-ND

## Via types
v1: diameter 0.55, hole 0.3, Top Copper to Bot Copper, 146 vias

## Nets (pads, with @x,y where several pads share a name; then routed paths per layer and width w, separated by ;. In a path a pad name is that pad's centre, name@x,y a point inside that pad or via, vN(x,y) a via of type N, cw(c..) or ccw(c..) an arc to the next point about the centre after c; other vN are vias at no path point)
\IF_INT0: J100.20
\IF_INT1: J100.21
\IF_INT2: J100.22
\IF_INT3: J100.23
\MCU_SPI1.CS1: J100.6 TP_SPI1.CS1.1 U200_1.5 | length 59.1
  Top Copper w0.152: v1(14,111.601) 14,110.837 13.494,110.331 13.494,108.585 13.494,71.347 13.494,69.374 13.811,69.056 15.557,69.056 TP_SPI1.CS1.1@16.669,67.945 v1(16.669,66.992)
  Bot Copper w0.152: v1(14,111.601) 14,111.971 J100.6@14,112.75 ; U200_1.5@14.061,58.74 14.061,59.599 13.494,60.166 13.494,65.564 14.287,66.358 16.034,66.358 v1(16.669,66.992)
\MCU_SPI1.CS2: J100.7 TP_SPI1.CS2.1 U200_2.5 | length 68.2
  Top Copper w0.152: v1(14.8,116.205) 14.8,110.454 15.081,110.172 15.081,109.102 14.446,108.467 14.446,79.692 25.082,69.056 27.146,69.056 28.258,67.945 TP_SPI1.CS2.1@30.321,67.945 v1(30.321,66.04)
  Bot Copper w0.152: v1(14.8,116.205) J100.7@14.8,117.25 ; v1(30.321,66.04) 30.004,65.722 30.004,60.166 30.571,59.599 U200_2.5@30.571,58.74
\MCU_SPI1.CS3: J100.8
\MCU_SPI1.CS4: J100.9
\MCU_SPI1.CS5: J100.10
\MCU_SPI4.CS0: J100.14 TP_SPI4.CS0.1 U200_3.5 | length 74.5
  Top Copper w0.152: v1(25.241,109.379) 25.559,109.061 25.559,107.179 26.761,105.977 46.672,86.065 46.672,71.347 46.672,69.374 46.99,69.056 48.736,69.056 TP_SPI4.CS0.1@49.847,67.945 v1(49.847,66.992)
  Bot Copper w0.152: J100.14@17.2,112.75 17.2,111.705 17.621,111.284 22.225,111.284 22.543,110.966 23.654,110.966 v1(25.241,109.379) ; U200_3.5@47.24,58.74 47.24,59.599 46.672,60.166 46.672,65.564 47.466,66.358 49.212,66.358 v1(49.847,66.992)
\MCU_SPI4.CS1: J100.15 TP_SPI4.CS1.1 U200_4.5 | length 84
  Top Copper w0.152: v1(25.4,115.252) 26.511,114.141 26.511,107.573 27.595,106.489 47.625,86.46 47.625,79.692 58.261,69.056 60.325,69.056 61.436,67.945 TP_SPI4.CS1.1@63.5,67.945 v1(63.5,66.04)
  Bot Copper w0.152: J100.15@18,117.25 18,115.985 18.415,115.57 25.082,115.57 v1(25.4,115.252) ; v1(63.5,66.04) 63.182,65.722 63.182,60.166 63.75,59.599 U200_4.5@63.75,58.74
\MCU_SPI4.CS2: J100.16
\MCU_SPI4.CS3: J100.17
\MCU_SPI4.CS4: J100.18
\MCU_SPI4.CS5: J100.19
EN_1: J100.24 R200_1.1 TP_EN1.1 U200_1.1 | length 72.4
  Top Copper w0.152: v1(8.731,66.992) TP_EN1.1@8.731,67.945 9.842,69.056 11.589,69.056 11.906,69.374 11.906,109.379 v1(11.589,109.696) ; v1(10.954,59.69) 10.954,61.754 v1@11.112,61.912 ; v1(20.796,110.331) 21.2,110.735 v1(21.2,113.983)
  Bot Copper w0.152: v1(8.731,66.992) 8.731,66.199 9.366,65.564 11.43,65.564 11.906,65.087 11.906,63.494 11.054,62.641 R200_1.1@10.954,62.641 v1(10.954,61.912) ; v1(10.954,59.69) 10.954,59.214 11.428,58.74 U200_1.1@12.061,58.74 ; v1(11.589,109.696) 12.7,109.696 13.731,110.727 14.686,110.727 15.399,110.014 20.479,110.014 v1(20.796,110.331) ; J100.24@21.2,112.75 v1(21.2,113.983)
EN_2: J100.26 R200_2.1 TP_EN2.1 U200_2.1 | length 73.3
  Top Copper w0.152: v1(14.129,110.172) 13.811,109.855 13.811,108.585 13.811,79.375 TP_EN2.1@25.241,67.945 v1(25.241,66.992) ; v1(21.588,110.017) 21.907,110.336 21.907,112.236 22,112.329 v1(22,113.983) ; v1(27.464,59.69) 27.464,61.754 v1@27.622,61.912
  Bot Copper w0.152: v1(14.129,110.172) 14.605,110.172 15.081,109.696 21.267,109.696 v1(21.588,110.017) ; J100.26@22,112.75 v1(22,113.983) ; v1(25.241,66.992) 25.241,66.199 25.876,65.564 27.94,65.564 28.416,65.087 28.416,63.494 27.564,62.641 R200_2.1@27.464,62.641 v1(27.464,61.912) ; v1(27.464,59.69) 27.464,59.214 27.938,58.74 U200_2.1@28.571,58.74
EN_3: J100.28 R200_3.1 TP_EN3.1 U200_3.1 | length 69.4
  Top Copper w0.152: v1(22.8,111.601) 22.8,111.224 22.543,110.966 22.543,107.95 24.307,106.185 45.085,85.408 45.085,71.41 45.085,69.374 44.767,69.056 43.021,69.056 TP_EN3.1@41.91,67.945 v1(41.91,66.992) ; v1(44.133,59.69) v1@44.133,61.754
  Bot Copper w0.152: v1(22.8,111.601) J100.28@22.8,112.75 ; v1(41.91,66.992) 41.91,66.199 42.545,65.564 44.609,65.564 45.085,65.087 45.085,63.494 44.232,62.641 R200_3.1@44.133,62.641 v1(44.133,61.912) ; v1(44.133,59.69) 44.133,59.214 44.606,58.74 U200_3.1@45.24,58.74
EN_4: J100.30 R200_4.1 TP_EN4.1 U200_4.1 | length 72.6
  Top Copper w0.152: v1(25.559,110.172) 25.876,109.855 25.876,107.31 26.985,106.201 46.99,86.197 46.99,79.375 TP_EN4.1@58.42,67.945 v1(58.42,66.992) ; v1(60.642,59.69) 60.642,61.754 v1@60.801,61.912
  Bot Copper w0.152: J100.30@23.6,112.75 23.6,111.617 25.045,110.172 v1(25.559,110.172) ; v1(58.42,66.992) 58.42,66.199 59.055,65.564 61.119,65.564 61.595,65.087 61.595,63.494 60.742,62.641 R200_4.1@60.642,62.641 v1(60.642,61.912) ; v1(60.642,59.69) 60.642,59.214 61.116,58.74 U200_4.1@61.75,58.74